# Altium PCB PCB1_old.PcbDoc (continued)
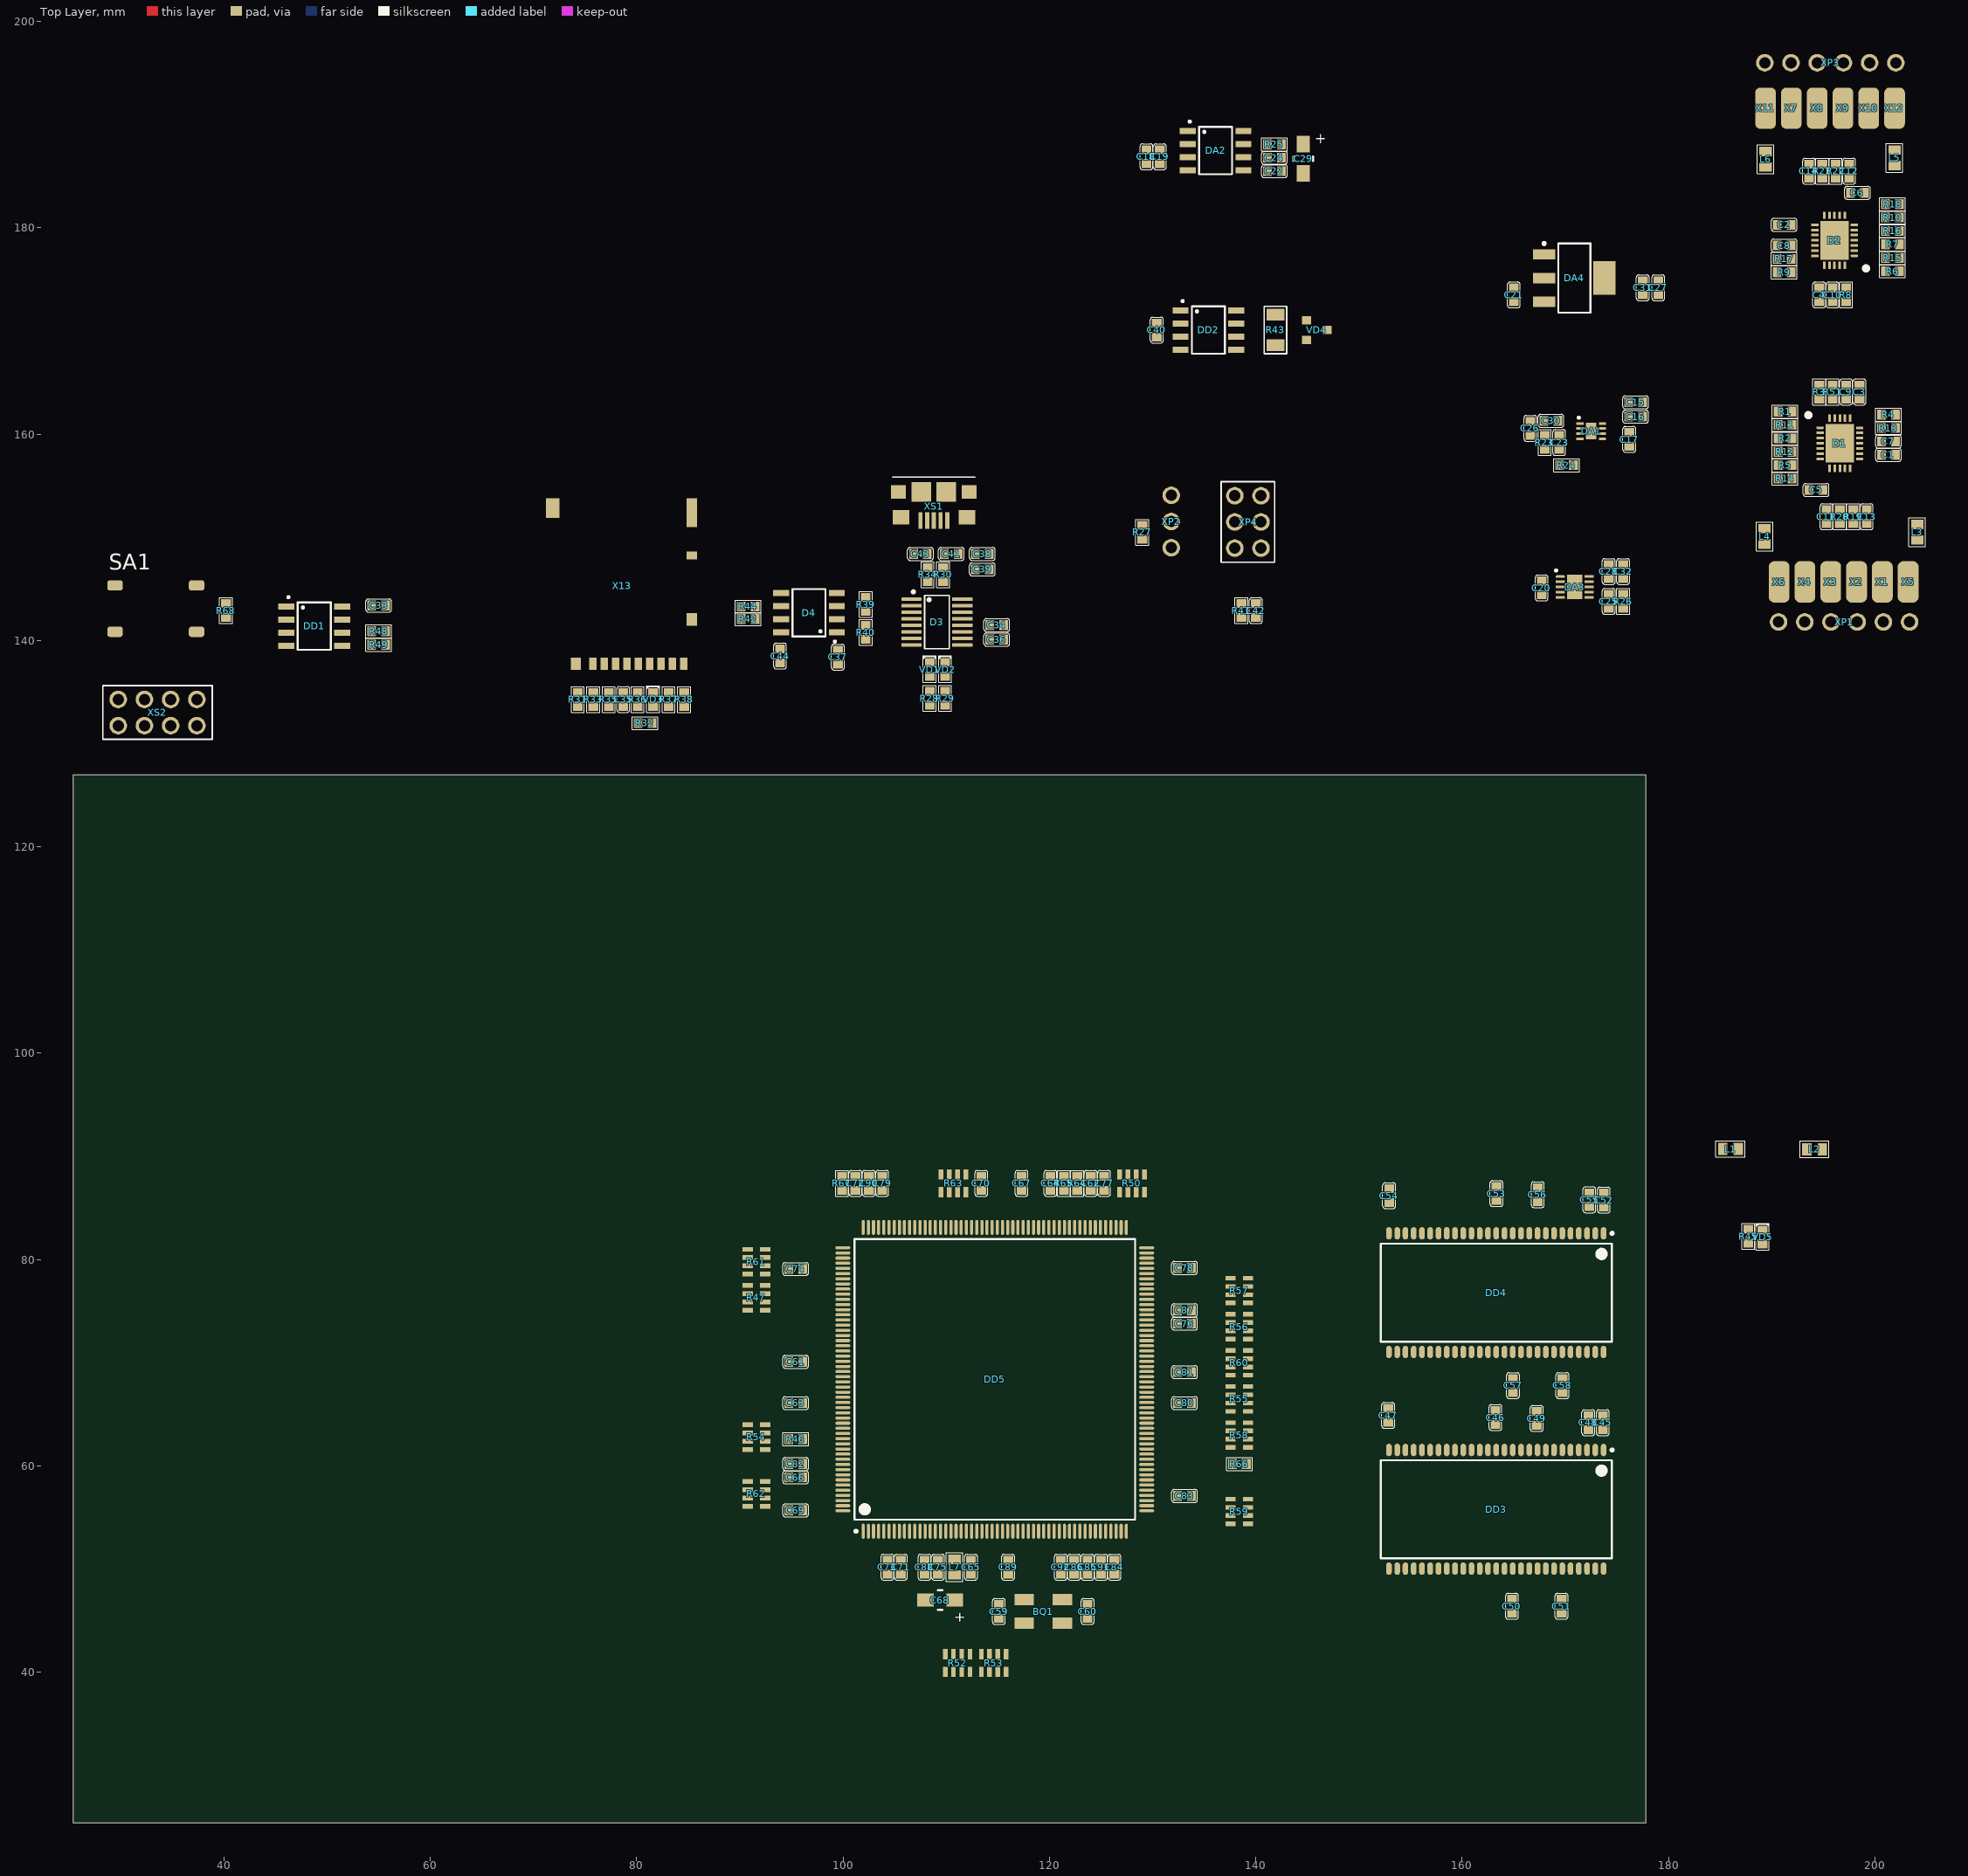
[diagram p0: Top Layer view]
## Components (designator, comment, footprint, x,y, rotation, side; value= is the part's Value field where it differs from the comment) (continued)
R49 "R" R0603 55,139.6 r0 top value="2,2 к"
R50 "RES_4" CAT16 128,87.4 r90 top value=33
R51 "R" R0603 195.9,164.1 r90 top value=47
R52 "RES_4" CAT16 111.1,40.9 r270 top value=33
R53 "RES_4" CAT16 114.6,40.9 r90 top value=33
R54 "RES_4" CAT16 91.6,62.8 r0 top value=33
R55 "RES_4" CAT16 138.4,66.5 r180 top value=33
R56 "RES_4" CAT16 138.4,73.5 r0 top value=33
R57 "RES_4" CAT16 138.4,77 r0 top value=33
R58 "RES_4" CAT16 138.4,63 r0 top value=33
R59 "RES_4" CAT16 138.4,55.589 r0 top value=33
R60 "RES_4" CAT16 138.4,70 r0 top value=33
R61 "RES_4" CAT16 91.6,79.8 r0 top value=33
R62 "RES_4" CAT16 91.6,57.3 r0 top value=33
R63 "RES_4" CAT16 110.7,87.4 r90 top value=33
R64 "R" R0603 122.7,87.4 r270 top value=33
R65 "R" R0603 121.4,87.4 r270 top value=33
R66 "R" R0603 138.4,60.2 r180 top value=33
R67 "R" R0603 99.9,87.4 r270 top value=33
R68 "R" R0603 40.2,142.9 r90 top value="10 к"
SA1 "Button" KLS7_6x6 33.4,143.1 r180 top
VD1 "LED" LED_0603_YELLOW 108.4,137.2 r90 top
VD2 "LED" LED_0603_GREEN 109.892,137.196 r90 top
VD3 "LED" LED_0603_BLUE 81.6,134.3 r90 top
VD4 "NUP2105L" SOT-23 145.9,170.1 r90 top
VD5 "LED" LED_0603_RED 189.1,82.2 r90 top
X1 "1pin" "lam 4x2" 200.718,145.694 r180 top
X2 "1pin" "lam 4x2" 198.218,145.694 r180 top
X3 "1pin" "lam 4x2" 195.718,145.694 r180 top
X4 "1pin" "lam 4x2" 193.218,145.694 r180 top
X5 "1pin" "lam 4x2" 203.218,145.694 r180 top
X6 "1pin" "lam 4x2" 190.718,145.694 r180 top
X7 "1pin" "lam 4x2" 191.9,191.6 r0 top
X8 "1pin" "lam 4x2" 194.4,191.6 r0 top
X9 "1pin" "lam 4x2" 196.9,191.6 r0 top
X10 "1pin" "lam 4x2" 199.4,191.6 r0 top
X11 "1pin" "lam 4x2" 189.4,191.6 r0 top
X12 "1pin" "lam 4x2" 201.9,191.6 r0 top
X13 "micro SD" DM3AT-SF-PEJM5 78.6,145.3 r0 top
XP1 "6pin" PLS-6 197.01,141.8 r180 top
XP2 "3pin" PLS-3 131.809,151.538 r90 top
XP3 "6pin" PLS-6 195.67,196 r0 top
XP4 "PLD-6" PLD-6 139.23,151.5 r0 top
XS1 "USB" USB_MICRO_1981568-1 108.8,153.075 r180 top
XS2 "8pin" PBD-8 33.57,133.03 r90 top

## Footprints (in the part's own frame and the unit in brackets; to place one, negate y for a bottom-side part, rotate by r counter-clockwise, add the part's x,y. Pads: shape width x height; smd on the part's side, far side on the other; paste and mask are expansions set on the pad)
C0603 [mm]
  rect 0.85x0.95 smd: 1(-0.675,0) 2(0.675,0)
  silkscreen extent -1.25,-0.63 1.25,0.63, body extent -0.8,-0.4 0.8,0.4, height 0.9
"Case A" [mm]
  rect 1.6x1.25 smd: 1(-1.425,0) 2(1.425,0)
  silkscreen extent -0.23,-0.95 0.22,0.95, body extent -1.7,-0.9 1.7,0.9, height 1.8
CAT16 [mm] "Chip Array, Concave, 8-Leads, Pitch 0,80mm,  Body 3,20x1,55mm,  IPC Medium Density"
  rect 1x0.45 smd: 1(-0.85,1.2) 2(-0.85,0.4) 3(-0.85,-0.4) 4(-0.85,-1.2) 5(0.85,-1.2) 6(0.85,-0.4) 7(0.85,0.4) 8(0.85,1.2)
  body extent -0.78,-1.6 0.78,1.6, height 0.49
Crystal_0532 [mm]
  rect 1.9x1.1 smd: 1(-1.85,-1.15) 2(1.85,-1.15) 3(1.85,1.15) 4(-1.85,1.15)
  body extent -2.5,-1.6 2.5,1.6, height 1
"DFN-10 3x3" [mm]
  rrect80% 0.9x0.25 smd: 1(-1.395,1)
  rect 0.9x0.25 smd: 2(-1.395,0.5) 3(-1.395,0) 4(-1.395,-0.5) 5(-1.395,-1) 6(1.395,-1) 7(1.395,-0.5) 8(1.395,0) 9(1.395,0.5) 10(1.395,1)
  rect 1.49x2.38 smd: 11(0,0)
  silkscreen extent -1.9,1.5 -1.7,1.7, body extent -1.5,-1.5 1.5,1.5, height 0.76
DM3AT-SF-PEJM5 [mm] "Micro SD"
  rect 0.7x1.2 smd: 1(-2.85,-7.55) 2(-1.75,-7.55) 3(-0.65,-7.55) 4(0.45,-7.55) 5(1.55,-7.55) 6(2.65,-7.55) 7(3.75,-7.55) 8(4.85,-7.55) 9(5.95,-7.55)
  rect 1x0.8 smd: 10(6.75,2.95)
  rect 1.3x1.9 smd: 11(-6.75,7.55)
  rect 1x1.2 smd: 11(-4.5,-7.55) 11(6.75,-3.25)
  rect 1x2.8 smd: 11(6.75,7.1)
  body extent -7,-7.65 6.85,8.5, height 1.7
INDC_0603 [mm] "Chip Inductor, 2-Leads, Body 1,60x1,00mm, IPC Medium Density"
  rect 0.91x1.2 smd: 1(-0.75,0) 2(0.75,0)
  silkscreen extent -1.4,-0.8 1.4,0.8, body extent -0.9,-0.59 0.9,0.59, height 0.83
KLS7_6x6 [mm] "SMD Button"
  rrect50% 1.5x1 smd mask+0.07: 1(-3.95,-2.25) 1(3.95,-2.25) 2(-3.95,2.25) 2(3.95,2.25)
  body extent -4,-3 4,3, height 5
"lam 4x2" [mm]
  rrect50% 2x4 smd mask+0.07: 1(0,0)
LED_0603_BLUE [mm]
  rect 0.85x0.95 smd: 1(-0.675,0) 2(0.675,0)
  silkscreen extent -1.25,-0.63 1.33,0.63, body extent -0.8,-0.4 0.8,0.4, height 0.6
LED_0603_GREEN [mm]
  rect 0.85x0.95 smd: 1(-0.675,0) 2(0.675,0)
  silkscreen extent -1.25,-0.63 1.33,0.63, body extent -0.8,-0.4 0.8,0.4, height 0.6
LED_0603_RED [mm]
  rect 0.85x0.95 smd: 1(-0.675,0) 2(0.675,0)
  silkscreen extent -1.25,-0.63 1.33,0.63, body extent -0.8,-0.4 0.8,0.4, height 0.6
LED_0603_YELLOW [mm]
  rect 0.85x0.95 smd: 1(-0.675,0) 2(0.675,0)
  silkscreen extent -1.25,-0.63 1.33,0.63, body extent -0.8,-0.4 0.8,0.4, height 0.6
LFCSP-8 [mm]
  rect 0.7x0.25 smd: 1(-1.09,0.75) 2(-1.09,0.25) 3(-1.09,-0.25) 4(-1.09,-0.75) 5(1.09,-0.75) 6(1.09,-0.25) 7(1.09,0.25) 8(1.09,0.75)
  rect 1x1.6 smd: 9(0,0)
  silkscreen extent -1.3,1.2 -1.1,1.4, body extent -1.04,-1 1,1, height 0.55
LQFP208 [mm] "TSQFP, 208-Leads, Body 28.00x28.00mm, Pitch 0.50mm, IPC Medium Density"
  oval 1.45x0.3 smd: 1(-14.725,12.75) 2(-14.725,12.25) 3(-14.725,11.75) 4(-14.725,11.25) 5(-14.725,10.75) 6(-14.725,10.25) 7(-14.725,9.75) 8(-14.725,9.25) 9(-14.725,8.75) 10(-14.725,8.25) 11(-14.725,7.75) 12(-14.725,7.25) 13(-14.725,6.75) 14(-14.725,6.25) 15(-14.725,5.75) 16(-14.725,5.25) 17(-14.725,4.75) 18(-14.725,4.25) 19(-14.725,3.75) 20(-14.725,3.25) 21(-14.725,2.75) 22(-14.725,2.25) 23(-14.725,1.75) 24(-14.725,1.25) 25(-14.725,0.75) 26(-14.725,0.25) 27(-14.725,-0.25) 28(-14.725,-0.75) 29(-14.725,-1.25) 30(-14.725,-1.75) 31(-14.725,-2.25) 32(-14.725,-2.75) 33(-14.725,-3.25) 34(-14.725,-3.75) 35(-14.725,-4.25) 36(-14.725,-4.75) 37(-14.725,-5.25) 38(-14.725,-5.75) 39(-14.725,-6.25) 40(-14.725,-6.75) 41(-14.725,-7.25) 42(-14.725,-7.75) 43(-14.725,-8.25) 44(-14.725,-8.75) 45(-14.725,-9.25) 46(-14.725,-9.75) 47(-14.725,-10.25) 48(-14.725,-10.75) 49(-14.725,-11.25) 50(-14.725,-11.75) 51(-14.725,-12.25) 52(-14.725,-12.75) 105(14.725,-12.75) 106(14.725,-12.25) 107(14.725,-11.75) 108(14.725,-11.25) 109(14.725,-10.75) 110(14.725,-10.25) 111(14.725,-9.75) 112(14.725,-9.25) 113(14.725,-8.75) 114(14.725,-8.25) 115(14.725,-7.75) 116(14.725,-7.25) 117(14.725,-6.75) 118(14.725,-6.25) 119(14.725,-5.75) 120(14.725,-5.25) 121(14.725,-4.75) 122(14.725,-4.25) 123(14.725,-3.75) 124(14.725,-3.25) 125(14.725,-2.75) 126(14.725,-2.25) 127(14.725,-1.75) 128(14.725,-1.25) 129(14.725,-0.75) 130(14.725,-0.25) 131(14.725,0.25) 132(14.725,0.75) 133(14.725,1.25) 134(14.725,1.75) 135(14.725,2.25) 136(14.725,2.75) 137(14.725,3.25) 138(14.725,3.75) 139(14.725,4.25) 140(14.725,4.75) 141(14.725,5.25) 142(14.725,5.75) 143(14.725,6.25) 144(14.725,6.75) 145(14.725,7.25) 146(14.725,7.75) 147(14.725,8.25) 148(14.725,8.75) 149(14.725,9.25) 150(14.725,9.75) 151(14.725,10.25) 152(14.725,10.75) 153(14.725,11.25) 154(14.725,11.75) 155(14.725,12.25) 156(14.725,12.75)
  oval 0.3x1.45 smd: 53(-12.75,-14.725) 54(-12.25,-14.725) 55(-11.75,-14.725) 56(-11.25,-14.725) 57(-10.75,-14.725) 58(-10.25,-14.725) 59(-9.75,-14.725) 60(-9.25,-14.725) 61(-8.75,-14.725) 62(-8.25,-14.725) 63(-7.75,-14.725) 64(-7.25,-14.725) 65(-6.75,-14.725) 66(-6.25,-14.725) 67(-5.75,-14.725) 68(-5.25,-14.725) 69(-4.75,-14.725) 70(-4.25,-14.725) 71(-3.75,-14.725) 72(-3.25,-14.725) 73(-2.75,-14.725) 74(-2.25,-14.725) 75(-1.75,-14.725) 76(-1.25,-14.725) 77(-0.75,-14.725) 78(-0.25,-14.725) 79(0.25,-14.725) 80(0.75,-14.725) 81(1.25,-14.725) 82(1.75,-14.725) 83(2.25,-14.725) 84(2.75,-14.725) 85(3.25,-14.725) 86(3.75,-14.725) 87(4.25,-14.725) 88(4.75,-14.725) 89(5.25,-14.725) 90(5.75,-14.725) 91(6.25,-14.725) 92(6.75,-14.725) 93(7.25,-14.725) 94(7.75,-14.725) 95(8.25,-14.725) 96(8.75,-14.725) 97(9.25,-14.725) 98(9.75,-14.725) 99(10.25,-14.725) 100(10.75,-14.725) 101(11.25,-14.725) 102(11.75,-14.725) 103(12.25,-14.725) 104(12.75,-14.725) 157(12.75,14.725) 158(12.25,14.725) 159(11.75,14.725) 160(11.25,14.725) 161(10.75,14.725) 162(10.25,14.725) 163(9.75,14.725) 164(9.25,14.725) 165(8.75,14.725) 166(8.25,14.725) 167(7.75,14.725) 168(7.25,14.725) 169(6.75,14.725) 170(6.25,14.725) 171(5.75,14.725) 172(5.25,14.725) 173(4.75,14.725) 174(4.25,14.725) 175(3.75,14.725) 176(3.25,14.725) 177(2.75,14.725) 178(2.25,14.725) 179(1.75,14.725) 180(1.25,14.725) 181(0.75,14.725) 182(0.25,14.725) 183(-0.25,14.725) 184(-0.75,14.725) 185(-1.25,14.725) 186(-1.75,14.725) 187(-2.25,14.725) 188(-2.75,14.725) 189(-3.25,14.725) 190(-3.75,14.725) 191(-4.25,14.725) 192(-4.75,14.725) 193(-5.25,14.725) 194(-5.75,14.725) 195(-6.25,14.725) 196(-6.75,14.725) 197(-7.25,14.725) 198(-7.75,14.725) 199(-8.25,14.725) 200(-8.75,14.725) 201(-9.25,14.725) 202(-9.75,14.725) 203(-10.25,14.725) 204(-10.75,14.725) 205(-11.25,14.725) 206(-11.75,14.725) 207(-12.25,14.725) 208(-12.75,14.725)
  silkscreen extent -14.85,-13.6 13.6,13.6, body extent -14.75,-14.75 14.75,14.75, height 1.4
PBD-8 [mm]
  round 1.7 hole 1.1: 1(-1.27,3.81) 2(1.27,3.81) 3(-1.27,1.27) 4(1.27,1.27) 5(-1.27,-1.27) 6(1.27,-1.27) 7(-1.27,-3.81) 8(1.27,-3.81)
  silkscreen extent -2.6,-5.3 2.6,5.3, body extent -2.5,-5.32 2.5,5.34, height 8.5
PLD-6 [mm]
  round 1.7 hole 1.1: 1(-1.27,2.54) 2(1.27,2.54) 3(-1.27,0) 4(1.27,0) 5(-1.27,-2.54) 6(1.27,-2.54)
  silkscreen extent -2.6,-3.9 2.6,3.9, body extent -2.56,-3.81 2.52,3.81, height 9.2
PLS-3 [mm]
  round 1.7 hole 1.1: 1(-2.54,0) 2(0,0) 3(2.54,0)
  body extent -3.81,-1.27 3.81,1.27, height 8.54
PLS-6 [mm]
  round 1.7 hole 1.1: 1(-6.35,0) 2(-3.81,0) 3(-1.27,0) 4(1.27,0) 5(3.81,0) 6(6.35,0)
  body extent -7.62,-1.27 7.62,1.27, height 8.54
R0603 [mm]
  rect 0.85x0.95 smd: 1(-0.675,0) 2(0.675,0)
  silkscreen extent -1.25,-0.63 1.25,0.63, body extent -0.8,-0.4 0.8,0.4, height 0.45
R1206 [mm]
  rect 1.15x1.75 smd: 1(-1.475,0) 2(1.475,0)
  silkscreen extent -2.3,-1.1 2.3,1.1, body extent -1.5,-0.77 1.51,0.78, height 0.55
SOIC8 [mm]
  rect 1.55x0.6 smd: 1(-2.7,1.905) 2(-2.7,0.635) 3(-2.7,-0.635) 4(-2.7,-1.905) 5(2.7,-1.905) 6(2.7,-0.635) 7(2.7,0.635) 8(2.7,1.905)
  Top Layer region: -2.7,1.905 -2.7,1.905 -2.7,1.905 -2.7,1.905
  silkscreen extent -2.6,-2.29 1.6,2.9, body extent -3,-2.45 3,2.45, height 1.75
SOT-23 [mm]
  rect 0.8x0.9 smd: 1(0.95,1) 2(-0.95,1) 3(0,-1)
  body extent -1.46,-1.2 1.46,1.2, height 0.98
SOT-223 [mm]
  rect 2.15x1 smd: 1(-2.925,2.3) 2(-2.925,0) 3(-2.925,-2.3)
  rect 2.15x3.25 smd: 4(2.925,0)
  silkscreen extent -3.05,-3.35 1.55,3.47, body extent -3.5,-3.25 3.5,3.25, height 1.64
SSOP-16 [mil]
  rrect80% 77.56x13.97 smd paste+0 mask+0: 1(-97,87.5)
  rect 77.56x13.97 smd paste+0 mask+0: 2(-97,62.5) 3(-97,37.5) 4(-97,12.5) 5(-97,-12.5) 6(-97,-37.5) 7(-97,-62.5) 8(-97,-87.5) 9(97,-87.5) 10(97,-62.5) 11(97,-37.5) 12(97,-12.5) 13(97,12.5) 14(97,37.5) 15(97,62.5) 16(97,87.5)
  silkscreen extent -95,-102 47,120, body extent -122,-96 122,97, height 69
TSOP-54 [mm] "TSOP, 54-Leads, Body 22.22x10.16mm, Pitch 0.80mm, IPC Medium Density"
  oval 1.2x0.55 smd: 1(-5.75,10.4) 2(-5.75,9.6) 3(-5.75,8.8) 4(-5.75,8) 5(-5.75,7.2) 6(-5.75,6.4) 7(-5.75,5.6) 8(-5.75,4.8) 9(-5.75,4) 10(-5.75,3.2) 11(-5.75,2.4) 12(-5.75,1.6) 13(-5.75,0.8) 14(-5.75,0) 15(-5.75,-0.8) 16(-5.75,-1.6) 17(-5.75,-2.4) 18(-5.75,-3.2) 19(-5.75,-4) 20(-5.75,-4.8) 21(-5.75,-5.6) 22(-5.75,-6.4) 23(-5.75,-7.2) 24(-5.75,-8) 25(-5.75,-8.8) 26(-5.75,-9.6) 27(-5.75,-10.4) 28(5.75,-10.4) 29(5.75,-9.6) 30(5.75,-8.8) 31(5.75,-8) 32(5.75,-7.2) 33(5.75,-6.4) 34(5.75,-5.6) 35(5.75,-4.8) 36(5.75,-4) 37(5.75,-3.2) 38(5.75,-2.4) 39(5.75,-1.6) 40(5.75,-0.8) 41(5.75,0) 42(5.75,0.8) 43(5.75,1.6) 44(5.75,2.4) 45(5.75,3.2) 46(5.75,4) 47(5.75,4.8) 48(5.75,5.6) 49(5.75,6.4) 50(5.75,7.2) 51(5.75,8) 52(5.75,8.8) 53(5.75,9.6) 54(5.75,10.4)
  silkscreen extent -5.87,-11.2 4.75,11.35, body extent -5.88,-11.11 5.88,11.11, height 1.25
USB_MICRO_1981568-1 [mm] "1981568-1"
  rect 1.45x1.3 smd mask+0.07: 0(-3.425,-1.325) 0(3.425,-1.325)
  rect 1.6x1.4 smd mask+0.07: 0(-3.2,1.125) 0(3.2,1.125)
  rect 1.9x1.9 smd mask+0.07: 0(-1.2,-1.325) 0(1.2,-1.325)
  rect 0.4x1.6 smd mask+0.07: 1(-1.3,1.425) 2(-0.65,1.425) 3(0,1.425) 4(0.65,1.425) 5(1.3,1.425)
  silkscreen extent -4,-2.77 4,-2.77, body extent -3.96,-4.04 3.96,1.63, height 2.74
VQFN24_8x8x4x4 [mm]
  rrect80% 0.708x0.255 smd paste+0 mask+0: 1(-1.916,1.5)
  rect 0.708x0.255 smd paste+0 mask+0: 2(-1.916,1) 3(-1.916,0.5) 4(-1.916,0) 5(-1.916,-0.5) 6(-1.916,-1) 7(-1.916,-1.5) 13(1.916,-1.5) 14(1.916,-1) 15(1.916,-0.5) 16(1.916,0) 17(1.916,0.5) 18(1.916,1) 19(1.916,1.5)
  rect 0.255x0.708 smd paste+0 mask+0: 8(-1,-2.424) 9(-0.5,-2.424) 10(0,-2.424) 11(0.5,-2.424) 12(1,-2.424) 20(1,2.424) 21(0.5,2.424) 22(0,2.424) 23(-0.5,2.424) 24(-1,2.424)
  rect 2.743x3.759 smd paste+0 mask+0: 25(0,0)
  silkscreen extent -3.25,2.53 -2.85,2.92, body extent -2.07,-2.58 2.07,2.58, height 0.99

## Part data
BQ1: library part OSC_4, Package=QSMD5.0x3.2x1.0, PartNumber="KX-9AT 8.0 MHZ"
C1 C2 C3 C4 C7 C8 C11 C12 C13 C14 C16 C19 C27 C28 C33 C34 C36 C37 C39 C40 C42 C44 C45 C46 C47 C48 C49 C50 C51 C52 C53 C54 C55 C56 C57 C58 C61 C63 C64 C66 C67 C69 C70 C71 C72 C73 C74 C77 C78 C80 C81 C83 C84 C85 C86 C88 C89: Case=0603, Dielectric=X7R, PartNumber=GRM188R71H104KA93D, Tolerance=±10%, Voltage="50 В"
  C11 C12 C13 C14: Mount="не уст"
C5 C6 C23: Case=0603, Dielectric=X7R, PartNumber=GRM188R72A103KA01J, Tolerance=±10%, Voltage=100В
C9 C10 C17 C18 C21 C22 C24 C26 C31 C91 C92: Case=0603, Dielectric=X7R, PartNumber=GRM188R71E105KA12D, Tolerance=±10%, Voltage="25 В"
C15 C20 C30 C32 C38 C62 C65 C87 C90: Case=0603, Dielectric=X7R, PartNumber=GRM188Z71C475KE21D, Tolerance=±10%, Voltage="16 В"
C25: Case=0603, Dielectric=X7R, PartNumber=GRM188R71E474KA12D, Tolerance=±10%, Voltage="25 В"
C29 C68: Case="\"A\"", PartNumber=TAJA106K016RNJ, Tolerance=±10%, Voltage="16 V"
C35: Case=0603, Dielectric=X7R, PartNumber=GRM188R71E224KA88D, Tolerance=±10%, Voltage="25 В"
C41 C43: Case=0603, Dielectric=NP0, PartNumber=GRM1885C1H470FA01D, Tolerance=±10%, Voltage="50 В"
C59 C60: Case=0603, Dielectric=NP0, PartNumber=GRM1885C1H120JA01J, Tolerance=±10%, Voltage="50 В"
C75: Case=0603, Dielectric=NP0, PartNumber=GCM1885C2A221JA16D, Tolerance=±5%, Voltage="100 В"
C76 C79 C82: Case=0603, Dielectric=X7R, PartNumber=GRM188R71A225KE15J, Tolerance=±10%, Voltage="10 В"
D1 D2: library part ADS1283, "ADC 2ch"
D4: library part ADUM1201
DA2: library part REF50xx
DA4: library part LD1117S33
DD1: library part AT24C0xC
DD2: "CAN"
L1 L2 L3 L4 L5 L6: library part L_1
L7: library part L_1, PartNumber=MLZ1608A2R2WT000
R1 R2 R3 R5 R6 R7 R8 R10 R11 R12 R14 R15 R16 R18 R19 R20 R21 R22 R51: Case=0603, PartNumber=RC0603JR-0747RL, Power="0.1 Вт", Tolerance=±5%
  R19 R20 R21 R22: Mount="не уст"
R4 R9 R13 R17 R27 R31 R33 R35 R36 R37 R38 R39 R40 R41 R46 R68: Case=0603, PartNumber=RC0603JR-0710KL, Power="0.1 Вт", Tolerance=±5%
R23: Case=0603, PartNumber=RC0603FR-07100KL, Power="0.1 Вт", Tolerance=±1%, Mount="не уст"
R24 R26: Case=0603, PartNumber=RC0603FR-0724K9L, Power="0.1 Вт", Tolerance=±1%
  R24: Mount="не уст"
R25: Case=0603, PartNumber=RC0603JR-07100RL, Power="0.1 Вт", Tolerance=±5%
R28 R29: Case=0603, PartNumber=RC0603JR-07270RL, Power="0.1 Вт", Tolerance=±5%
R30 R34 R42 R44: Case=0603, PartNumber=RC0603JR-0727RL, Power="0.1 Вт", Tolerance=±5%
R32 R45: Case=0603, PartNumber=RC0603JR-07330RL, Power="0.1 Вт", Tolerance=±5%
R43: Case=1206, PartNumber=RC1206JR-13120RL, Power="0.25 Вт", Tolerance=±5%
R47 R50 R52 R53 R54 R55 R56 R57 R58 R59 R60 R61 R62 R63: Case=CAT16, PartNumber=CAT16-330J4, Power=0.062, Tolerance=±5%
R48 R49: Case=0603, PartNumber=RC0603JR-072K2L, Power="0.1 Вт", Tolerance=±5%
R64 R65 R66 R67: Case=0603, PartNumber=RC0603JR-0733RL, Power="0.1 Вт", Tolerance=±5%
X13: library part microSD
XP1 XP3: PartNumber=PLS-6
XP2: PartNumber=PLS-3
XP4: library part 6pin, PartNumber=PLD-6
XS2: PartNumber=PBD-8

## Nets (pads, with @x,y where several pads share a name; then routed paths per layer and width w, separated by ;. In a path a pad name is that pad's centre, name@x,y a point inside that pad or via, vN(x,y) a via of type N, cw(c..) or ccw(c..) an arc to the next point about the centre after c; other vN are vias at no path point)
3v3: C3.1 C4.1 C18.1 C19.1 C27.1 C31.1 C33.1 C35.1 C40.1 C44.1 C45.1 C46.1 C47.1 C48.1 C49.1 C50.1 C51.1 C52.1 C53.1 C54.1 C55.1 C56.1 C57.1 C58.1 C61.1 C62.2 C63.1 C64.2 C65.1 C66.1 C67.2 C69.1 C70.2 C71.1 C72.2 C73.1 C74.2 C77.1 C78.2 C80.1 C81.2 C83.1 C84.2 C85.1 C86.2 C88.1 C89.2 C91.1 C92.2 D1.20 D2.20 D4.8 DA2.2 DA4.2 DA4.4 DD1.8 DD2.3 DD3.1 DD3.3 DD3.9 DD3.14 DD3.27 DD3.43 DD3.49 DD4.1 DD4.3 DD4.9 DD4.14 DD4.27 DD4.43 DD4.49 DD5.7 DD5.8 DD5.17 DD5.20 DD5.29 DD5.43 DD5.44 DD5.49 DD5.56 DD5.74 DD5.80 DD5.100 DD5.108 DD5.114 DD5.119 DD5.125 DD5.133 DD5.155 DD5.161 DD5.179 DD5.187 DD5.201 DD5.208 R4.1 R9.1 R13.1 R17.1 R27.1 R31.2 R32.2 R33.2 R35.2 R36.2 R37.2 R38.2 R41.1 R48.2 R49.2 R68.1 X13.4 XP4.1
3v3_EXT: C36.1 C37.1 D3.3 D3.10 D3.11 D4.1 R28.1 R29.1 R39.2 R40.2
+2v5: C1.1 C2.1 C28.1 C32.1 D1.14 D2.14 DA3.9 DA3.10
-2v5: C7.2 C8.2 C18.2 C19.2 C22.2 C24.2 C29.2 C30.1 D1.15 D1.16 D2.15 D2.16 DA1.1 DA1.2 DA2.4
ADC1_C\S\: DD5.146 R12.1
ADC1_INN1: D1.13 X1.1 XP1.2
ADC1_INN2: D1.11 X4.1 XP1.5
ADC1_INP1: C13.1 D1.12 R19.1 R19.2 X2.1 XP1.3
ADC1_INP2: C11.1 D1.10 R20.1 R20.2 X3.1 XP1.4
ADC1_MF: DD5.65 R14.1
ADC1_RES: D1.19 DD5.166 R4.2
ADC2_C\S\: DD5.190 R16.1
ADC2_INN1: D2.13 X7.1 XP3.2
ADC2_INN2: D2.11 X10.1 XP3.5
ADC2_INP1: C14.1 D2.12 R21.1 R21.2 X8.1 XP3.3
ADC2_INP2: C12.1 D2.10 R22.1 R22.2 X9.1 XP3.4
ADC2_MF: DD5.195 R18.1
ADC2_RES: D2.19 DD5.191 R9.2
ADC_CLK: D1.23 D2.23 R51.1
ADC_SYNC: DD5.64 R5.1 R10.1
AGND: C1.2 C2.2 C9.2 C10.2 C11.2 C12.2 C13.2 C14.2 C15.2 C16.2 C17.2 C20.2 C25.2 C26.2 C28.2 C30.2 C32.2 DA1.6 DA3.5 DA3.8 DA3.11 L1.1 L3.2 L4.2 L5.2 L6.2 R24.2 R26.1
AGND_1_EXT: L3.1 X5.1 XP1.1
AGND_2_EXT: L4.1 X6.1 XP1.6
AGND_3_EXT: L5.1 X11.1 XP3.1
AGND_4_EXT: L6.1 X12.1 XP3.6
BAT2+: XS2.5 XS2.6
BAT+: C20.1 C21.1 DA3.1 DA3.2 DA3.3 DA3.6 DA4.3 XS2.3 XS2.4
BAT-: C15.1 C16.1 DA1.8 XS2.2
BT_START: DD5.46 R68.2 SA1.1 XS2.7
CAN1_RX: DD2.4 DD5.149
CAN1_TX: DD2.1 DD5.150
CAN_H: DD2.7 R43.1 VD4.1
CAN_L: DD2.6 R43.2 VD4.2
CAN_VCC_EN: DD2.5 DD5.101
D\R\D\Y\: DD5.57 R1.1
D\R\D\Y\_\2\: DD5.189 R6.1
DGND: C3.2 C4.2 D1.21 D2.21 L2.1
FMC_A0: DD3.23 DD4.23 R52.7
FMC_A1: DD3.24 DD4.24 R52.8
FMC_A2: DD3.25 DD4.25 R53.1
FMC_A3: DD3.26 DD4.26 R53.2
FMC_A4: DD3.29 DD4.29 R53.3
FMC_A5: DD3.30 DD4.30 R53.4
FMC_A6: DD3.31 DD4.31 R58.5
FMC_A7: DD3.32 DD4.32 R58.6
FMC_A8: DD3.33 DD4.33 R58.7
FMC_A9: DD3.34 DD4.34 R58.8
FMC_A10: DD3.22 DD4.22 R55.1
FMC_A11: DD3.35 DD4.35 R55.2
FMC_BA0: DD3.20 DD4.20 R63.5
FMC_BA1: DD3.21 DD4.21 R63.6
FMC_D0: DD3.2 R64.1
FMC_D1: DD3.4 R65.1
FMC_D2: DD3.5 R47.3
FMC_D3: DD3.7 R47.4
FMC_D4: DD3.8 R55.3
FMC_D5: DD3.10 R55.4
FMC_D6: DD3.11 R60.5
FMC_D7: DD3.13 R60.6
FMC_D8: DD3.42 R60.7
FMC_D9: DD3.44 R60.8
FMC_D10: DD3.45 R56.5
FMC_D11: DD3.47 R56.6
FMC_D12: DD3.48 R56.7
FMC_D13: DD3.50 R50.6
FMC_D14: DD3.51 R50.7
FMC_D15: DD3.53 R50.8
FMC_D16: DD4.2 R56.8
FMC_D17: DD4.4 R57.5
FMC_D18: DD4.5 R57.6
FMC_D19: DD4.7 R57.7
FMC_D20: DD4.8 R57.8
FMC_D21: DD4.10 R67.1
FMC_D22: DD4.11 R61.1
FMC_D23: DD4.13 R61.2
FMC_D24: DD4.42 R61.3
FMC_D25: DD4.44 R61.4
FMC_D26: DD4.45 R47.1
FMC_D27: DD4.47 R47.2
FMC_D28: DD4.48 R62.3
FMC_D29: DD4.50 R62.4
FMC_D30: DD4.51 R52.5
FMC_D31: DD4.53 R52.6
FMC_NBL0: DD3.15 R54.3
FMC_NBL1: DD3.39 R54.4
FMC_NBL2: DD4.15 R62.1
FMC_NBL3: DD4.39 R62.2
FMC_SDCKE0: DD3.37 DD4.37 R59.8
FMC_SDCLK: DD3.38 DD4.38 R63.8
FMC_SDNCAS: DD3.17 DD4.17 R54.1
FMC_SDNE0: DD3.19 DD4.19 R59.7
FMC_SDNRAS: DD3.18 DD4.18 R66.1
FMC_SDNWE: DD3.16 DD4.16 R59.6
GND: BQ1.2 BQ1.4 C21.2 C27.2 C31.2 C33.2 C35.2 C40.2 C42.2 C44.2 C45.2 C46.2 C47.2 C48.2 C49.2 C50.2 C51.2 C52.2 C53.2 C54.2 C55.2 C56.2 C57.2 C58.2 C59.2 C60.2 C61.2 C62.1 C63.2 C64.1 C65.2 C66.2 C67.1 C68.2 C69.2 C70.1 C71.2 C72.1 C73.2 C74.1 C75.2 C76.2 C77.2 C78.1 C79.2 C80.2 C81.1 C82.2 C83.2 C84.1 C85.2 C86.1 C87.2 C88.2 C89.1 C90.2 C91.2 C92.1 D4.5 DA4.1 DD1.2 DD1.3 DD1.4 DD1.7 DD2.2 DD2.8 DD3.6 DD3.12 DD3.28 DD3.41 DD3.46 DD3.52 DD3.54 DD4.6 DD4.12 DD4.28 DD4.41 DD4.46 DD4.52 DD4.54 DD5.6 DD5.16 DD5.18 DD5.28 DD5.42 DD5.50 DD5.55 DD5.73 DD5.79 DD5.90 DD5.99 DD5.109 DD5.113 DD5.120 DD5.126 DD5.132 DD5.139 DD5.153 DD5.160 DD5.178 DD5.186 DD5.200 DD5.207 L1.2 L2.2 R46.1 SA1.2 VD4.3 VD5.2 X13.6 X13.10 X13.11 XP2.3 XP4.5 XS2.1 XS2.8
GND_EXT: C34.2 C36.2 C37.2 C38.2 C39.2 C41.2 C43.2 D3.5 D3.13 D4.4 XS1.5
I2C1_SCL: DD1.6 DD5.192 R48.1
I2C1_SDA: DD1.5 DD5.193 R49.1
LED: DD5.196 R45.2
NetC5_1: C5.1 D1.8
NetC5_2: C5.2 D1.9
NetC6_1: C6.1 D2.8
NetC6_2: C6.2 D2.9
NetC9_1: C9.1 D1.22
NetC10_1: C10.1 D2.22
NetC17_1: C17.1 DA1.7
NetC22_1: C22.1 DA2.5
NetC23_1: C23.1 DA1.4 R23.1 R24.1
NetC23_2: C23.2 C26.1 DA1.3 R23.2
NetC24_1: C24.1 DA2.6 R25.1
NetC25_1: C25.1 DA3.7 R26.2
NetC75_1: C75.1 DD5.19 L7.1
NetD1_1: D1.1 R1.2
NetD1_2: D1.2 R11.2
NetD1_3: D1.3 R2.2
NetD1_4: D1.4 R12.2
NetD1_5: D1.5 R5.2
NetD1_6: D1.6 R14.2
NetD1_18: D1.18 R13.2
NetD1_24: D1.24 R3.2
NetD2_1: D2.1 R6.2
NetD2_2: D2.2 R15.2
NetD2_3: D2.3 R7.2
NetD2_4: D2.4 R16.2
NetD2_5: D2.5 R10.2
NetD2_6: D2.6 R18.2
NetD2_18: D2.18 R17.2
NetD2_24: D2.24 R8.2
NetD3_1: D3.1 D4.3 R39.1
NetD3_4: D3.4 D4.2 R40.1
NetD3_8: D3.8 R34.2
NetD3_9: D3.9 R30.2
NetD4_6: D4.6 R44.1
NetD4_7: D4.7 R42.1
NetDD5_13: DD5.13 R52.4
NetDD5_14: DD5.14 R52.3
NetDD5_22: DD5.22 R52.2
NetDD5_23: DD5.23 R52.1
NetDD5_24: DD5.24 R53.8
NetDD5_25: DD5.25 R53.7
NetDD5_26: DD5.26 R53.6
NetDD5_27: DD5.27 R53.5
NetDD5_38: DD5.38 R59.3
NetDD5_40: DD5.40 R59.2
NetDD5_41: DD5.41 R59.1
NetDD5_63: DD5.63 R51.2
NetDD5_67: DD5.67 R66.2
NetDD5_68: DD5.68 R58.4
NetDD5_69: DD5.69 R58.3
NetDD5_70: DD5.70 R58.2
NetDD5_71: DD5.71 R58.1
NetDD5_72: DD5.72 R55.8
NetDD5_75: DD5.75 R55.7
NetDD5_76: DD5.76 R55.6
NetDD5_77: DD5.77 R55.5
NetDD5_78: DD5.78 R60.4
NetDD5_81: DD5.81 R60.3
NetDD5_82: DD5.82 R60.2
NetDD5_83: DD5.83 R60.1
NetDD5_84: DD5.84 R56.4
NetDD5_85: DD5.85 R56.3
NetDD5_86: DD5.86 R56.2
NetDD5_94: DD5.94 R56.1
NetDD5_95: DD5.95 R57.4
NetDD5_96: DD5.96 R57.3
NetDD5_97: DD5.97 R57.2
NetDD5_98: DD5.98 R57.1
NetDD5_105: DD5.105 R50.3
NetDD5_106: DD5.106 R50.2
NetDD5_107: DD5.107 R50.1
NetDD5_115: DD5.115 R64.2
NetDD5_116: DD5.116 R65.2
NetDD5_134: DD5.134 R63.4
NetDD5_135: DD5.135 R63.3
NetDD5_138: DD5.138 R63.1
NetDD5_156: DD5.156 R67.2
NetDD5_157: DD5.157 R61.8
NetDD5_158: DD5.158 R61.7
NetDD5_159: DD5.159 R61.6
NetDD5_162: DD5.162 R61.5
NetDD5_163: DD5.163 R47.8
NetDD5_164: DD5.164 R47.7
NetDD5_170: DD5.170 R47.6
NetDD5_171: DD5.171 R47.5
NetDD5_188: DD5.188 R54.8
NetDD5_194: DD5.194 R46.2
NetDD5_197: DD5.197 R54.6
NetDD5_198: DD5.198 R54.5
NetDD5_203: DD5.203 R62.8
NetDD5_204: DD5.204 R62.7
NetDD5_205: DD5.205 R62.6
NetDD5_206: DD5.206 R62.5
NetR28_2: R28.2 VD1.1
NetR29_2: R29.2 VD2.1
NetR32_1: R32.1 VD3.1
NetR45_1: R45.1 VD5.1
NRST: C42.1 DD5.37 R41.2 XP4.4
RCC_OSC_IN: BQ1.1 C59.1 DD5.35
RCC_OSC_OUT: BQ1.3 C60.1 DD5.36
RX_LED: D3.7 VD1.2
SDIO_CD: DD5.45 R38.1 X13.9
SDIO_CK: DD5.169 R36.1 X13.5
SDIO_CMD: DD5.172 R35.1 X13.3
SDIO_D0: DD5.144 VD3.2 X13.7
SDIO_D1: DD5.145 R37.1 X13.8
SDIO_D2: DD5.167 R31.1 X13.1
SDIO_D3: DD5.168 R33.1 X13.2
SPI1_MISO: DD5.59 R11.1
SPI1_MOSI: DD5.60 R2.1
SPI1_SCK: DD5.58 R3.1
SPI2_MISO: DD5.103 R15.1
SPI2_MOSI: DD5.39 R7.1
SPI2_SCK: DD5.87 R8.1
SWCLK: DD5.165 XP4.3
SWDIO: DD5.151 XP4.2
TX_LED: D3.14 VD2.2
USART1_RX: DD5.148 R44.2
USART1_TX: DD5.147 R42.2
USART2_RX: DD5.54
USART2_TX: DD5.47
USBDM: C41.1 R30.1 XS1.2
USBDP: C43.1 R34.1 XS1.3
V_SMPS: C68.1 C76.1 C79.1 C82.1 C87.1 C90.1 DD5.21 DD5.89 DD5.91 DD5.152 DD5.154 DD5.199 DD5.202 L7.2
VCC_5V_USB: C34.1 C38.1 C39.1 D3.12 XS1.1
VREF_P: C7.1 C8.1 C29.1 D1.17 D2.17 R25.2
W_MODE: DD5.88 R27.2 XP2.2
pads on no net: D1.7 D1.25 D2.7 D2.25 D3.2 D3.6 D3.15 D3.16 DA1.5 DA1.9 DA2.1 DA2.3 DA2.7 DA2.8 DA3.4 DD1.1 DD3.36 DD3.40 DD4.36 DD4.40 DD5.1 DD5.2 DD5.3 DD5.4 DD5.5 DD5.9 DD5.10 DD5.11 DD5.12 DD5.15 DD5.30 DD5.31 DD5.32 DD5.33 DD5.34 DD5.48 DD5.51 DD5.52 DD5.53 DD5.61 DD5.62 DD5.66 DD5.92 DD5.93 DD5.102 DD5.104 DD5.110 DD5.111 DD5.112 DD5.117 DD5.118 DD5.121 DD5.122 DD5.123 DD5.124 DD5.127 DD5.128 DD5.129 DD5.130 DD5.131 DD5.136 DD5.137 DD5.140 DD5.141 DD5.142 DD5.143 DD5.173 DD5.174 DD5.175 DD5.176 DD5.177 DD5.180 DD5.181 DD5.182 DD5.183 DD5.184 DD5.185 R50.4 R50.5 R54.2 R54.7 R59.4 R59.5 R63.2 R63.7 XP2.1 XP4.6 XS1.0 XS1.4

## Text inside footprints (layer, text, board x,y; h text height)
C29: Top Overlay "+" at 145.7,188.2 h1
C68: Top Overlay "+" at 110.9,45.9 h1 r270